# KiCad board Panel2.kicad_pcb (continued)
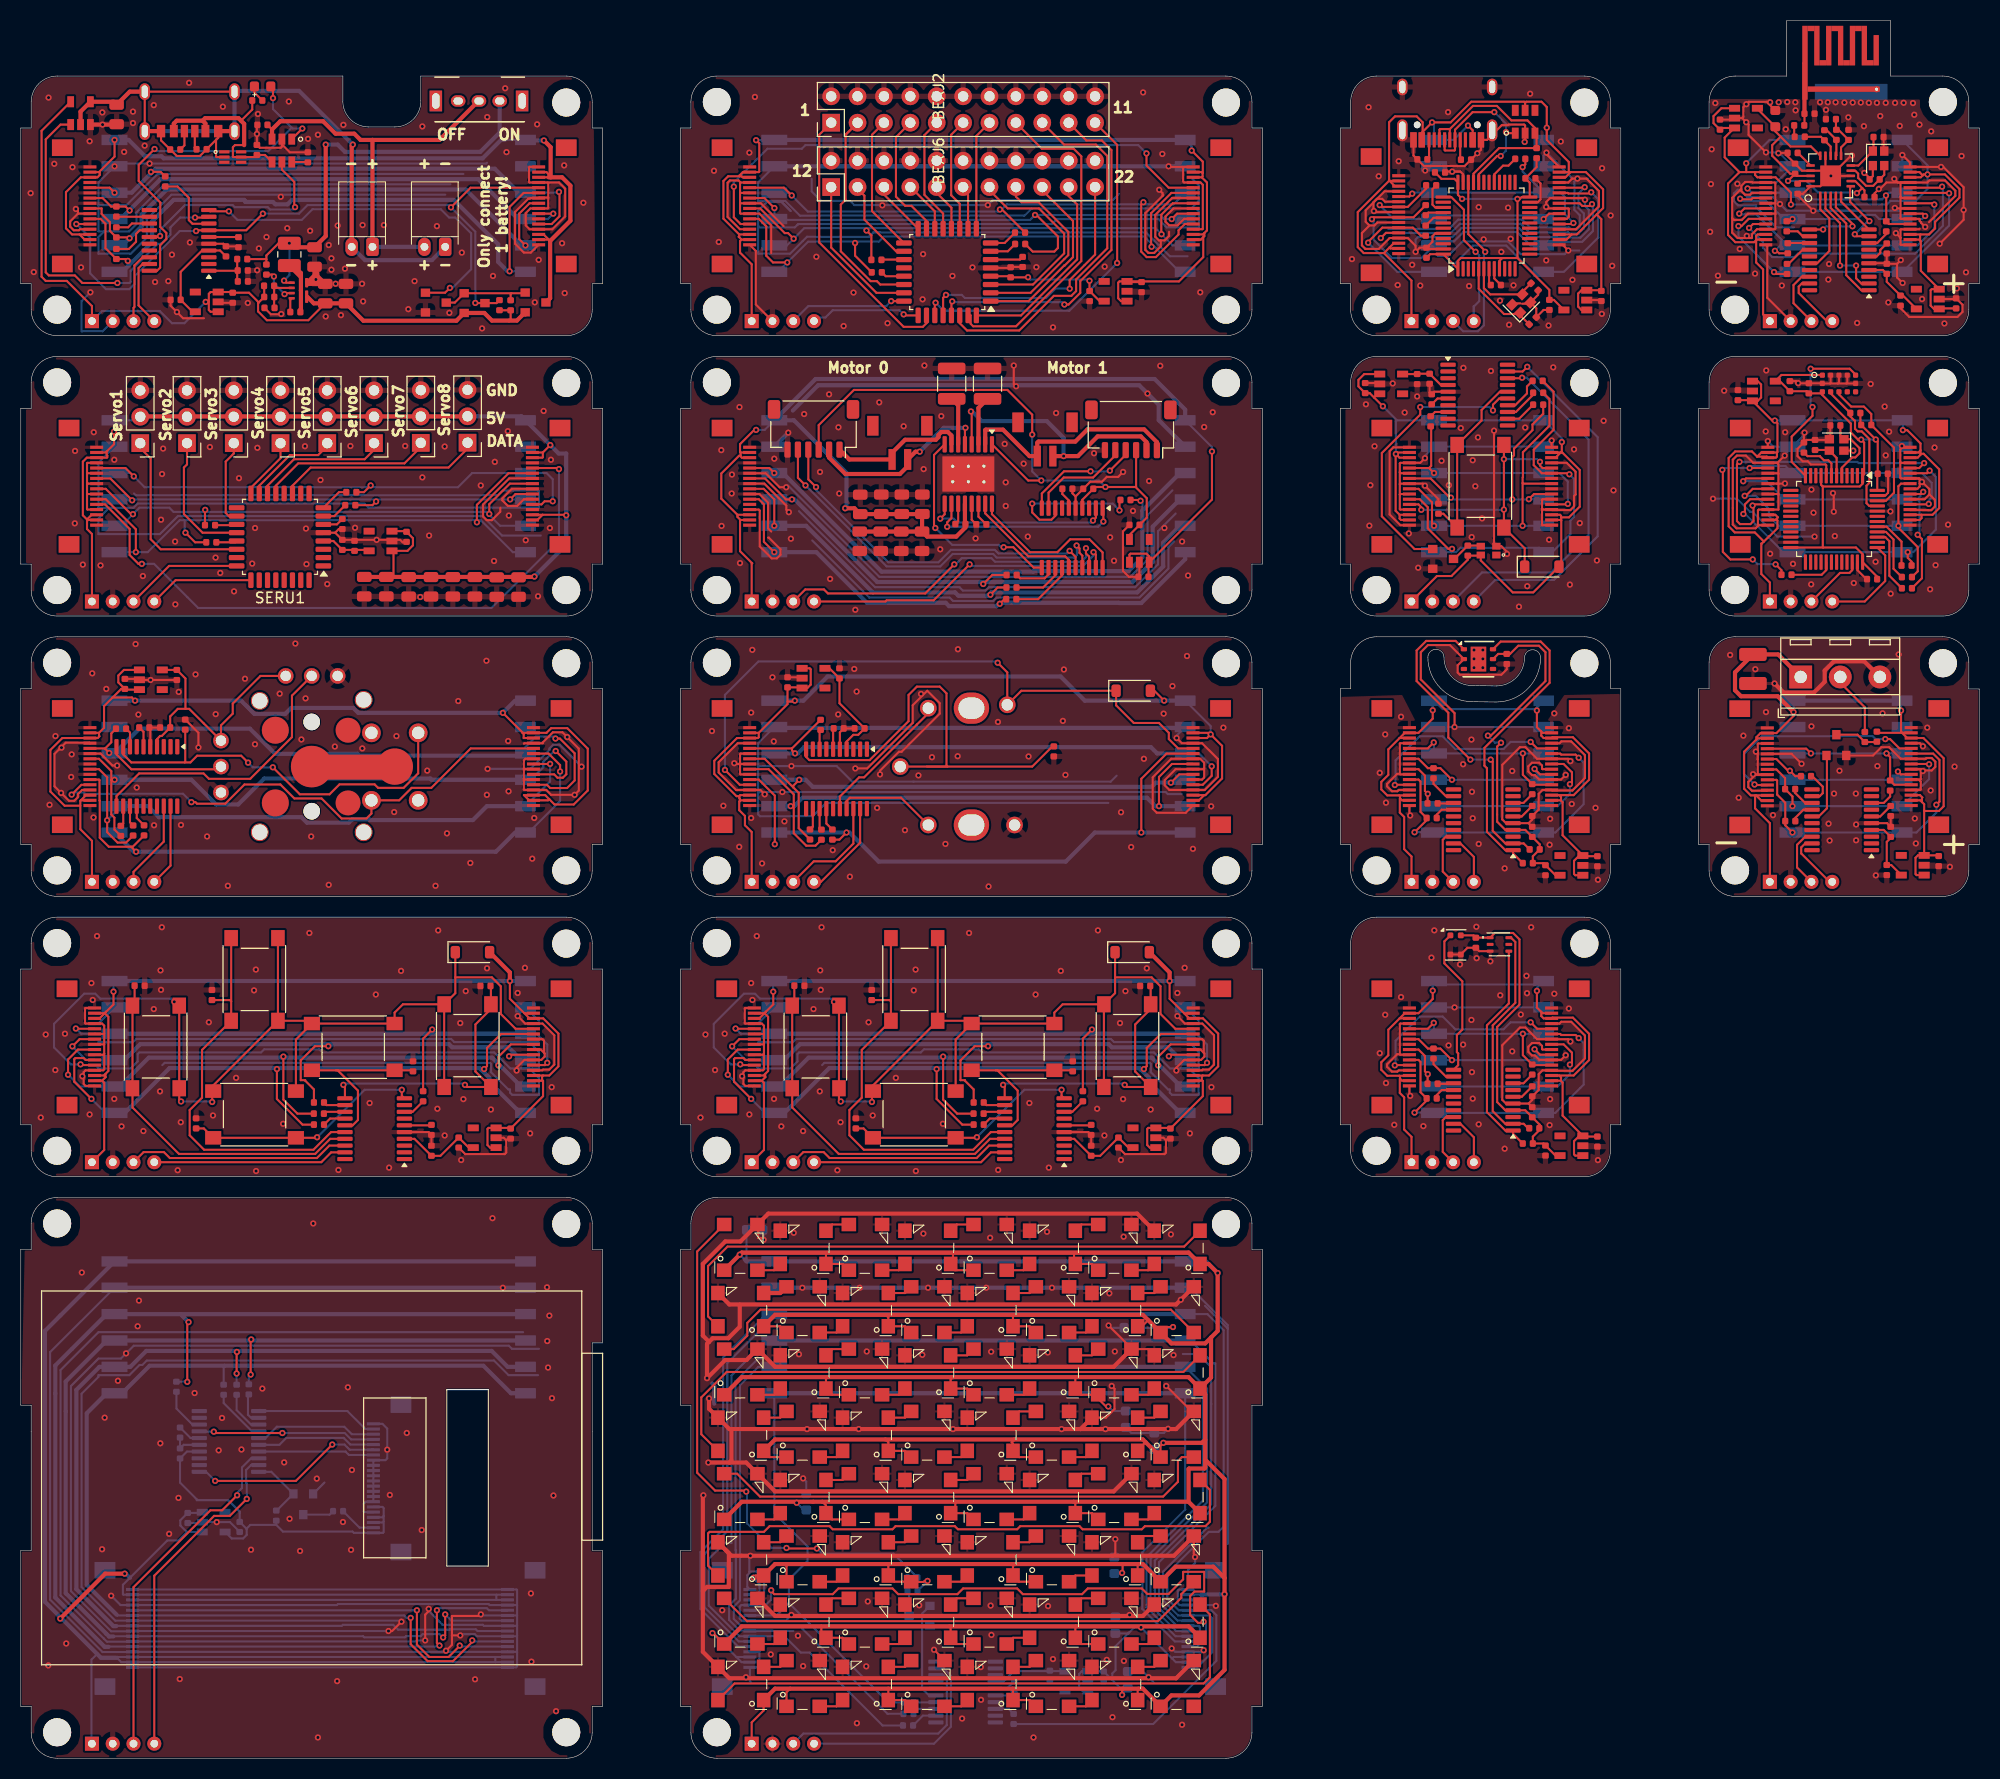
[diagram p0: board, top side]
## Routing (per net, layer and track width the routed paths; a pad name or vN(x,y) marks a point on that pad's centre or on a via; arc(x,y) is an arc through that point) (continued)
LIG_Net-(U3-PA7): length 2.1
  Top w0.2: 136.28,63.55 136.28,63.87 136.77,64.35 LIGU3.14
LIG_PS: length 19.4
  Top w0.2: v1(136,70.83) 135.43,70.25 LIGJ5.5 ; LIGJ3.5 145.53,66.75 LIGR1.2 144.57,67.71 v1(144.57,69.77)
  Bottom w0.2: LIGJ2.4 v1(144.57,69.77) LIGJ1.3 136,69.8 v1(136,70.83)
LIG_SCL: length 21.3
  Top w0.2: LIGU1.4 143.22,72.69 141.12,70.58 141.12,62.22 142.89,60.45 LIGU3.1 143.63,60.14 LIGR5.1
LIG_SCLK: length 18.8
  Top w0.2: v1(137.75,67.23) 136.63,68.34 LIGR3.2 135.44,68.34 134.53,69.25 LIGJ5.7 ; v1(145.7,68.28) 146.22,67.75 LIGJ3.7
  Bottom w0.2: v1(145.7,68.28) 145.7,68.11 LIGJ2.3 v1(137.75,67.23) LIGJ1.4
LIG_SDA: length 22.3
  Top w0.2: 145.23,60.53 144.66,61.1 LIGU3.2 142.89,61.1 141.68,62.32 141.68,70.58 143.85,72.75 143.85,78.61 143.43,79.03 LIGU1.6
LIG_SWDCLK: length 4.9
  Top w0.2: LIGJ4.4 139.86,59.8 138.56,61.1 LIGU3.19
LIG_SWDIO: length 5.6
  Top w0.2: LIGU3.18 137.17,61.75 136.87,61.45 136.87,58.39 LIGJ4.3
LIG_VDD: length 32.9
  Top w0.2: LIGU2.5 147.72,58.03 LIGC9.1 146.56,59.2 LIGR5.2 145.53,59.86 146.2,60.53 146.2,61.01 LIGC2.1 144.81,62.4 LIGU3.4 142.89,62.4 142.1,63.19 142.1,70.42 144.25,72.58 144.25,78.86 143.63,79.47 141.88,79.47 LIGU1.1 140.06,79.03 LIGC3.1 139.82,79.25 LIGU4.4
MAT_5V: length 664.2
  Top w0.2: v1(87.28,17.07) 87,17.07 86.9,16.97 85.72,16.97 MATD44.1 84.1,17 MATD43.1 83.5,18.65 83.55,18.7 ; v1(106,17.85) 106.05,17.9 106.05,18.7 ; 89.4,12.7 89.5,12.6 MATD52.1 90.1,11 MATD53.1 ; 89.72,48.6 101.38,48.6 ; 89.72,48.6 77.53,48.6 ; 89.72,48.6 89.72,47.83 MATD4.1 89.5,47.4 89.9,47 MATD5.1 ; 101.38,48.6 101.38,47.72 MATD6.1 103.1,47.6 MATD7.1 ; 101.38,48.6 112.5,48.6 MATD8.1 ; 74.05,6.7 73.7,6.35 MATD58.1 ; 106.08,6.7 106,6.62 v1(106,6.1) ; 71.25,17.85 MATD41.1 70.75,17.6 v1(70.54,17.39) ; 77.53,48.6 69.3,48.6 v1(69.2,48.5) MATD1.1 ; 77.53,48.6 77.5,48.58 MATD2.1 79.1,47.6 MATD3.1 ; MATD42.1 73.7,18.5 73.5,18.7 ; v1(109.97,30.38) 109.7,30.1 MATD32.1 ; MATD63.1 107.5,6.62 107.58,6.7 ; 95.7,18.7 95.5,18.5 MATD45.1 96.1,17 MATD46.1 ; MATD57.1 71.5,4.6 70.35,3.45 MATJ3.1 ; 83.25,42.7 83.5,42.45 MATD11.1 85.1,41.6 MATD12.1 ; MATD10.1 73.1,41.6 MATD9.1 ; MATD25.1 72.1,29 MATD26.1 ; MATD60.1 85.1,5.6 MATD59.1 83.5,6.7 ; MATD30.1 96.1,29 MATD29.1 95.5,30.3 95.38,30.43 95.6,30.65 95.6,30.7 ; v1(104.67,33.88) 104.45,33.88 103.7,34.62 MATD23.1 102.1,35 MATD22.1 101.5,36.7 ; 95.42,42.7 95.5,42.62 MATD13.1 97.1,41.6 MATD14.1 ; MATD55.1 102.1,11 MATD54.1 101.5,12.65 101.55,12.7 ; 83.22,30.7 83.5,30.43 MATD27.1 85.1,29.6 MATD28.1 ; 89.95,24.7 89.95,24.05 MATD36.1 91.1,23.6 MATD37.1 ; MATD19.1 78.1,35 MATD18.1 77.5,36.6 77.6,36.7 ; v1(66.58,12.05) 66.65,12.05 MATD49.1 ; 95.45,6.7 95.5,6.65 MATD61.1 97.1,5.6 MATD62.1 ; MATD51.1 79.1,11.6 MATD50.1 77.05,12.05 77.05,12.7 ; 107.53,18.7 107.5,18.68 MATD47.1 ; MATD39.1 103.1,23.6 MATD38.1 101.5,24.55 101.35,24.7 ; MATD21.1 91.1,35.6 MATD20.1 89.5,36.45 89.75,36.7 ; MATD16.1 110.22,41.53 v1(110.9,41.53) ; 108.26,30.44 107.5,29.68 MATD31.1 ; 108.51,42.19 107.92,41.6 MATD15.1 ; MATD35.1 78.1,23 MATD34.1 77.5,24.35 77.15,24.7
  Top w0.4: v1(109.97,30.38) 113.7,30.38 114,30.68 ; MATD56.1 112.4,12.7 69.4,12.7 MATD49.1 ; 114.56,40.51 114.56,36.66 MATD24.1 ; 114.56,40.51 114,39.95 110.75,39.95 MATD16.1 108,42.7 72.6,42.7 MATD9.1 ; 114.56,40.51 115.2,41.15 v1(115.2,46.72) 114.33,47.6 MATD8.1 112.4,48.7 69.4,48.7 MATD1.1 ; 112.4,24.7 MATD40.1 ; 112.4,24.7 112.4,27.85 112.45,27.9 113.92,27.9 114,27.97 114,28.75 ; 112.4,24.7 69.4,24.7 MATD33.1 ; MATD24.1 112.4,36.7 69.4,36.7 MATD17.1 ; MATD24.1 113.5,35.55 114,35.05 114,30.68 ; 114,30.68 114,28.75 ; 114,28.75 115.86,26.89 115.86,17.36 ; MATD41.1 72.6,18.7 108,18.7 MATD48.1 111.15,18.45 114.78,18.45 115.86,17.36 ; 115.86,17.36 v1(115.86,15.8) 115.86,8.51 113.41,6.05 110.75,6.05 MATD64.1 108,6.7 72.6,6.7 MATD57.1 ; MATD32.1 108,30.7 72.6,30.7 MATD25.1
  Bottom w0.2: 71.05,15.75 71.05,15.5 71.15,15.4 71,15.25 MATJ5.14 ; 71.05,15.75 71.1,15.8 71.1,16.78 70.8,17.07 ; 71.05,15.75 MATJ5.15 ; v1(104.67,33.88) 105.11,33.44 MATC11.1 ; 110.83,9.6 v1(107.83,12.6) 107.17,12.6 106.67,12.1 ; 110.83,9.6 111.17,9.25 MATJ4.15 ; 110.83,9.6 110.97,9.75 MATJ4.14 ; v1(87.28,17.07) 86.35,16.15 MATR2.1 ; MATC6.1 109.72,30.38 v1(109.97,30.38) ; MATC12.1 110.83,41.45 v1(110.9,41.53) ; MATC13.1 106.6,12.03 106.67,12.1 ; MATJ5.3 68.88,9.75 ; 68.88,9.75 v1(66.58,12.05) ; 68.88,9.75 69.38,9.25 MATJ5.2 ; MATC16.1 75.36,23.91 v1(74.67,24.6) ; MATJ4.2 113.62,15.75 113.65,15.78 ; MATC8.1 69.85,48.15 69.7,48 v1(69.2,48.5) ; MATU1.3 102.19,6.47 101.87,6.8 101.87,8.12 102.12,8.38 MATU1.1 104.21,8.38 MATC1.1 105.06,7.53 ; MATJ4.3 113.33,15.25 113.85,15.78 ; v1(70.54,17.39) 70.8,17.13 70.8,17.07 ; MATC7.1 106.06,17.79 ; 70.8,17.07 70.53,17.35 ; 106.67,12.1 105.38,10.8 105.38,8.47 105.06,8.16 105.06,7.53 ; 105.06,7.53 105.81,6.78 MATC15.1 106,6.22 v1(106,6.1)
  Bottom w0.4: 113.65,15.78 115.84,15.78 v1(115.86,15.8) ; v1(115.2,46.72) 114.08,47.85 MATJ2.6 MATJ1.1 69.85,47.85 69.7,48
MAT_D0: length 52.1
  Top w0.2: MATD1.4 65.1,48.8 65.1,27.5 66.83,25.78 69.73,25.78 v1(69.83,25.68) ; v1(76.62,20.2) 73.75,20.2 v1(73.7,20.25)
  Bottom w0.2: v1(69.83,25.68) 69.9,25.6 69.9,22.62 72.28,20.25 v1(73.7,20.25) ; MATR4.2 84,19.7 77.12,19.7 v1(76.62,20.2)
MAT_GND: length 709
  Top w0.2: v1(105,35.85) 105.28,35.58 105.28,33.63 104.45,32.8 MATD31.3 ; v1(113.03,19.38) 113.03,19.55 112.9,19.68 MATD48.3 ; 105.1,19.5 105.35,19.75 v1(105.35,21.1) ; MATD1.3 70.97,51.33 70.97,50.1 71.33,50.1 v1(71.5,49.92) ; v1(104.7,41.67) 106.9,39.47 MATD23.3 108.5,39.4 MATD24.3 ; v1(87.9,10.45) 88.9,9.45 MATD60.3 ; v1(110.25,35.85) 112.7,33.4 MATD32.3
  Top w0.4: 65.65,16.1 65.65,10.25 MATD57.3 68.2,7.7 111.2,7.7 MATD64.3 ; 65.65,16.1 66.05,16.5 68.15,16.5 68.15,19.75 MATD41.3 68.4,19.5 v1(70.22,19.5) 111,19.5 MATD48.3 ; 65.65,16.1 65.65,25.28 v1(65.7,25.32) ; MATD32.3 111.2,31.7 v1(104.4,31.7) 102,31.7 ; v1(66.17,28.47) 68.2,28.47 ; 68.2,28.47 68.4,28.68 68.4,31.7 ; 68.2,28.47 69.83,28.47 MATD33.3 72.6,25.7 105.2,25.7 MATD39.3 ; MATD23.3 105.2,37.7 72.6,37.7 MATD17.3 69.85,38.35 67.8,38.35 v1(66.05,36.6) 66.05,39.9 66.25,40.1 ; 66.25,40.1 65.65,40.7 65.65,47.61 67.82,49.78 69.28,49.78 MATD1.3 71.95,52.45 107.45,52.45 MATD8.3 ; 66.25,40.1 66.6,40.45 68.1,40.45 69.2,41.55 69.2,43.7 ; 68.4,31.7 v1(75.67,31.7) v1(80.65,31.7) v1(89.72,31.7) v1(100.17,31.7) 102,31.7 ; 68.4,31.7 68.2,31.7 MATD25.3 66.24,33.66 v1(66.24,34.65) ; 102,31.7 MATD31.3 ; MATD9.3 68.2,43.7 111.2,43.7 v1(111.65,44.15) MATD16.3 ; MATD49.3 72.6,13.7 108,13.7 MATD56.3
  Bottom w0.2: 95.03,6.82 94.92,6.7 MATU2.5 ; 95.03,6.82 MATC2.2 ; 95.03,6.82 95.4,6.45 MATC4.2 ; MATC11.2 106.89,31.32 MATC6.2 110.03,31.32 v1(110.42,31.72) ; v1(106.72,13.8) 106.6,13.8 106.4,13.6 MATC13.2 ; 116.17,41.38 113.98,43.57 ; 116.17,41.38 116.17,41.71 112.58,45.31 MATJ2.5 ; 116.17,41.38 116.17,20.62 ; 111.85,38.92 113.31,38.92 114.58,37.66 114.58,34.08 114.58,34.2 114.58,24.47 109.15,19.04 109.15,14.87 111.27,12.75 MATJ4.8 113.4,12.75 113.47,12.68 113.47,12.05 113.17,11.75 MATJ4.10 111.14,11.75 108.35,14.54 108.35,19.37 113.78,24.8 113.78,35.42 113.05,36.15 ; v1(70.22,19.5) 70.12,19.4 70.12,17.97 ; MATC12.2 104.92,41.45 v1(104.7,41.67) ; v1(75.3,26.95) 75.6,26.65 MATC16.2 ; 68.17,13.31 68.17,13.59 ; 68.17,13.31 69.18,12.3 72.37,12.3 ; 68.17,13.31 68.17,14.72 68.83,15.37 68.83,20.03 68.8,20.05 68.8,36.31 70.97,38.49 71.4,38.49 ; v1(71.5,49.92) 71.5,50.8 MATC8.2 ; 109.05,7.3 108,8.35 MATC15.2 ; v1(113.85,10.4) 113.65,10.2 113.42,10.2 113.37,10.25 MATJ4.13 111.1,10.25 v1(110.78,10.57) ; MATJ4.16 113.22,8.75 114.67,10.21 114.67,13.47 114.4,13.75 MATJ4.6 111.4,13.75 109.95,15.2 109.95,17.97 114.18,22.2 114.33,22.2 ; 70.3,7.3 70.17,7.43 MATJ5.1 71.05,8.75 71.1,8.8 71.1,10.3 ; MATJ5.4 71.05,10.25 71.1,10.3 ; 71.1,10.3 71.1,11.05 70.9,11.25 MATJ5.6 69.1,11.25 65.82,14.53 65.82,19.69 68,21.88 68,38.06 71.25,41.3 71.62,41.3 ; MATJ5.8 74.35,12.25 ; v1(74.17,13.8) 73.62,13.25 MATJ5.10 69.4,13.25 69.2,13.45 69.2,14.6 69.35,14.75 MATJ5.13 71.12,14.75 71.55,15.18 71.55,17.22 70.79,17.99 70.14,17.99 70.12,17.97 ; v1(113.03,19.38) 113.03,18.8 112.34,18.12 MATJ4.1 111.47,16.25 111.36,16.14 111.36,14.93 111.54,14.75 MATJ4.4 115.03,14.75 115.15,14.62 ; 70.12,17.97 70.12,17.82 69.92,17.62 69.92,16.5 MATJ5.16
  Bottom w0.4: 66.55,36.1 66.74,35.91 66.74,34.15 ; MATJ1.2 v1(75.22,45.31) v1(80.75,45.31) v1(87.33,45.31) v1(92.92,45.31) v1(99.25,45.31) MATJ2.5
  vias: v1(67.52,14.25) v1(69.8,7.8) v1(72.19,10) v1(74.4,50.6) v1(74.8,11.8) v1(74.9,38.9) v1(75.3,8.88) v1(80.47,3.38) v1(81.42,39.17) v1(81.38,8.85) v1(81.53,15.1) v1(86.47,14.72) v1(86.78,38.85) v1(86.88,50.53) v1(90.6,3.82) v1(92.4,8.78) v1(92.42,5.62) v1(93.3,50.12) v1(93.35,14.7) v1(93.4,39.15) v1(93.42,11.88) v1(97.47,2) v1(98.78,50.7) v1(98.85,39.08) v1(98.88,14.65) v1(99.35,9.55) v1(104.53,9.47) v1(104.78,44.78) v1(105.08,3.95) v1(105.3,39.17) v1(106.15,50.22) v1(106.17,9.38) v1(108.55,7.8) v1(110.7,50.45) v1(110.95,38.83) v1(111.78,3.22) v1(115.03,14.68)
MAT_Interrupt5V: length 58.5
  Top w0.2: v1(113.85,13.15) 113.73,13.03 113.32,13.03 112.55,13.8 112.55,15.62 112.97,16.05 113.9,16.05 113.9,17.95 111.9,17.95 111.88,17.93 111.88,17.22 110.47,15.82 108.42,15.82 107.9,16.35 102.7,16.35 102.15,15.8 96.45,15.8 95.9,16.35 90.7,16.35 90.15,15.8 84.45,15.8 83.9,16.35 78.7,16.35 78.15,15.8 72.53,15.8 72.22,16.1 v1(72.22,16.18)
  Bottom w0.2: v1(72.22,16.18) 72.22,15.28 71.19,14.25 MATJ5.12 ; MATJ4.12 113.22,10.75 114.08,11.6 114.08,12.93 v1(113.85,13.15)
MAT_LED_DATA: length 9.9
  Bottom w0.2: 87.5,14.68 86.75,13.93 86.75,6.72 87.42,6.05 MATU2.15
MAT_MISO: length 117.2
  Bottom w0.2: MATJ1.5 70.99,37.69 69.22,35.92 69.22,15.2 68.62,14.6 68.62,13.43 69.3,12.75 MATJ5.9 74.95,12.75 83.42,4.28 MATR5.2 ; MATJ2.2 114.17,35.59 114.17,24.63 108.75,19.21 108.75,14.71 111.21,12.25 MATJ4.9
  Bottom w0.4: MATJ2.2 MATJ1.5
MAT_MOSI: length 109.3
  Bottom w0.2: 73.92,14.95 72.72,13.75 MATJ5.11 ; 73.92,14.95 83.5,5.38 MATR6.2 ; 73.92,14.95 73.92,17.2 75.72,19 75.72,20.4 72.53,23.6 MATJ1.6 ; MATJ2.1 112.08,23.95 107.95,19.82 107.95,14.38 111.08,11.25 MATJ4.11
  Bottom w0.4: MATJ1.6 MATJ2.1
MAT_Net-(D1-DOUT): length 2.4
  Top w0.2: MATD1.2 72.5,47 MATD2.4
MAT_Net-(D2-DOUT): length 2.4
  Top w0.2: MATD3.4 78.1,51.4 MATD2.2
MAT_Net-(D3-DOUT): length 2.4
  Top w0.2: MATD3.2 84.5,47 MATD4.4
MAT_Net-(D4-DOUT): length 2.4
  Top w0.2: MATD4.2 90.1,51.4 MATD5.4
MAT_Net-(D5-DOUT): length 2.4
  Top w0.2: MATD5.2 96.5,47 MATD6.4
MAT_Net-(D6-DOUT): length 2.4
  Top w0.2: MATD7.4 102.1,51.4 MATD6.2
MAT_Net-(D7-DOUT): length 2.4
  Top w0.2: MATD7.2 108.5,47 MATD8.4
MAT_Net-(D8-DOUT): length 54.8
  Top w0.2: MATD9.4 66.15,42.55 66.15,47.4 68.03,49.28 111.97,49.28 113.4,50.7
MAT_Net-(D10-DIN): length 2.4
  Top w0.4: MATD9.2 73.1,44.8 MATD10.4
MAT_Net-(D10-DOUT): length 2.4
  Top w0.2: MATD11.4 78.5,41 MATD10.2
MAT_Net-(D11-DOUT): length 2.4
  Top w0.2: MATD11.2 85.1,44.8 MATD12.4
MAT_Net-(D12-DOUT): length 2.4
  Top w0.2: MATD12.2 90.5,41 MATD13.4
MAT_Net-(D13-DOUT): length 2.4
  Top w0.2: MATD13.2 97.1,44.8 MATD14.4
MAT_Net-(D14-DOUT): length 2.4
  Top w0.2: MATD14.2 102.5,41 MATD15.4
MAT_Net-(D15-DOUT): length 2.4
  Top w0.2: MATD16.4 109.1,44.8 MATD15.2
MAT_Net-(D16-DOUT): length 48.4
  Top w0.2: MATD17.4 68.62,39.4 69.92,40.7 69.92,41.92 71.2,43.2 110.7,43.2 MATD16.2
MAT_Net-(D17-DOUT): length 2.4
  Top w0.2: MATD17.2 72.5,35 MATD18.4
MAT_Net-(D18-DOUT): length 2.4
  Top w0.2: MATD18.2 78.1,39.4 MATD19.4
MAT_Net-(D19-DOUT): length 2.4
  Top w0.2: MATD19.2 84.5,35 MATD20.4
MAT_Net-(D20-DOUT): length 2.4
  Top w0.2: MATD20.2 91.1,38.8 MATD21.4
MAT_Net-(D21-DOUT): length 2.4
  Top w0.2: MATD21.2 96.5,35 MATD22.4
MAT_Net-(D22-DOUT): length 2.4
  Top w0.2: MATD23.4 103.1,38.8 MATD22.2
MAT_Net-(D23-DOUT): length 2.4
  Top w0.2: MATD23.2 108.5,35 MATD24.4
MAT_Net-(D24-DOUT): length 55.5
  Top w0.2: MATD24.2 111.9,37.2 67.95,37.2 65.5,34.75 65.5,31.2 MATD25.4
MAT_Net-(D25-DOUT): length 2.4
  Top w0.2: MATD26.4 73.1,32.8 MATD25.2
MAT_Net-(D26-DOUT): length 2.4
  Top w0.2: MATD27.4 78.5,29 MATD26.2
MAT_Net-(D27-DOUT): length 2.4
  Top w0.2: MATD27.2 85.1,32.8 MATD28.4
MAT_Net-(D28-DOUT): length 2.4
  Top w0.2: MATD28.2 90.5,29 MATD29.4
MAT_Net-(D29-DOUT): length 2.4
  Top w0.2: MATD29.2 96.1,33.4 MATD30.4
MAT_Net-(D30-DOUT): length 2.4
  Top w0.2: MATD31.4 102.5,29 MATD30.2
MAT_Net-(D31-DOUT): length 2.4
  Top w0.2: MATD32.4 109.1,32.8 MATD31.2
MAT_Net-(D32-DOUT): length 48.9
  Top w0.2: MATD33.4 68.95,27.4 71.15,25.2 109.95,25.2 111.38,26.62 111.38,28.62 111.75,29 MATD32.2
MAT_Net-(D33-DOUT): length 2.4
  Top w0.2: MATD34.4 72.5,23 MATD33.2
MAT_Net-(D34-DOUT): length 2.4
  Top w0.2: MATD35.4 79.1,26.8 MATD34.2
MAT_Net-(D35-DOUT): length 2.4
  Top w0.2: MATD35.2 84.5,23 MATD36.4
MAT_Net-(D36-DOUT): length 2.4
  Top w0.2: MATD37.4 91.1,26.8 MATD36.2
MAT_Net-(D37-DOUT): length 2.4
  Top w0.2: MATD38.4 96.5,23 MATD37.2
MAT_Net-(D38-DOUT): length 2.4
  Top w0.2: MATD38.2 102.1,27.4 MATD39.4
MAT_Net-(D39-DOUT): length 2.4
  Top w0.2: MATD39.2 108.5,23 MATD40.4
MAT_Net-(D40-DOUT): length 58.4
  Top w0.2: MATD41.4 66.15,18.55 66.15,21.65 66.3,21.8 71.53,21.8 72.08,22.35 77.85,22.35 78.15,22.05 83.9,22.05 84.2,22.35 89.9,22.35 90.2,22.05 95.9,22.05 96.2,22.35 101.9,22.35 102.2,22.05 107.9,22.05 108.2,22.35 114.03,22.35 114.45,22.78 114.45,25.85 MATD40.2
MAT_Net-(D41-DOUT): length 2.4
  Top w0.2: MATD42.4 73.1,20.8 MATD41.2
MAT_Net-(D42-DOUT): length 2.4
  Top w0.2: MATD42.2 78.5,17 MATD43.4
MAT_Net-(D43-DOUT): length 2.4
  Top w0.2: MATD44.4 85.1,20.8 MATD43.2
MAT_Net-(D44-DOUT): length 2.4
  Top w0.2: MATD44.2 90.5,17 MATD45.4
MAT_Net-(D45-DOUT): length 2.4
  Top w0.2: MATD45.2 97.1,20.8 MATD46.4
MAT_Net-(D46-DOUT): length 2.4
  Top w0.2: MATD46.2 101.5,17.6 MATD47.4
MAT_Net-(D47-DOUT): length 2.4
  Top w0.2: MATD48.4 108.1,21.4 MATD47.2
MAT_Net-(D48-DOUT): length 47.9
  Top w0.2: MATD48.2 111.7,15.8 111.7,15.45 109.45,13.2 69.9,13.2 MATD49.4
MAT_Net-(D49-DOUT): length 2.4
  Top w0.2: MATD49.2 72.5,11 MATD50.4
MAT_Net-(D50-DOUT): length 2.4
  Top w0.2: MATD51.4 78.1,15.4 MATD50.2
MAT_Net-(D51-DOUT): length 2.4
  Top w0.2: MATD51.2 84.5,11 MATD52.4
MAT_Net-(D52-DOUT): length 2.4
  Top w0.2: MATD52.2 90.1,15.4 MATD53.4
MAT_Net-(D53-DOUT): length 2.4
  Top w0.2: MATD54.4 95.5,11.6 MATD53.2
MAT_Net-(D54-DOUT): length 2.4
  Top w0.2: MATD54.2 102.1,15.4 MATD55.4
MAT_Net-(D55-DOUT): length 2.4
  Top w0.2: MATD56.4 108.5,11 MATD55.2
MAT_Net-(D56-DOUT): length 55.7
  Top w0.2: MATD56.2 114.45,13.85 114.45,7.8 113.85,7.2 68.7,7.2 MATD57.4
MAT_Net-(D57-DOUT): length 2.4
  Top w0.2: MATD58.4 73.1,8.8 MATD57.2
MAT_Net-(D58-DOUT): length 2.4
  Top w0.2: MATD58.2 78.5,5 MATD59.4
MAT_Net-(D59-DOUT): length 2.4
  Top w0.2: MATD59.2 85.1,8.8 MATD60.4
MAT_Net-(D60-DOUT): length 2.4
  Top w0.2: MATD60.2 90.5,5 MATD61.4
MAT_Net-(D61-DOUT): length 2.4
  Top w0.2: MATD62.4 97.1,8.8 MATD61.2
MAT_Net-(D62-DOUT): length 2.4
  Top w0.2: MATD63.4 102.5,5 MATD62.2
MAT_Net-(D63-DOUT): length 2.4
  Top w0.2: MATD63.2 109.1,8.8 MATD64.4
MAT_Net-(Q1-D): length 3.7
  Bottom w0.2: MATQ1.3 85.5,17.23 MATR4.1
MAT_Net-(U2-NRST): length 2.1
  Bottom w0.2: MATC4.1 95.64,5.49 95.08,6.05 MATU2.6
MAT_Net-(U2-PA1): length 2
  Bottom w0.2: 95.56,4.26 95.08,4.75 MATU2.8
MAT_Net-(U2-PA5): length 2.6
  Bottom w0.2: MATR3.1 86.83,4.1 MATU2.12
MAT_Net-(U2-PA6): length 2.3
  Bottom w0.2: MATR5.1 86.39,4.75 MATU2.13
MAT_Net-(U2-PA7): length 2.1
  Bottom w0.2: MATU2.14 88.06,5.38 MATR6.1
MAT_PS: length 142.4
  Bottom w0.2: MATJ5.5 69.04,10.75 65.42,14.37 65.42,19.86 67.6,22.04 67.6,38.59 71.78,42.77 MATJ1.3 ; MATR1.2 109,3.29 115.08,9.38 115.08,13.78 114.6,14.25 MATJ4.5 111.47,14.25 110.35,15.37 110.35,17.8 114.35,21.8 115.28,21.8 115.78,22.3 115.78,41.21 114.21,42.77 MATJ2.4
  Bottom w0.4: MATJ2.4 MATJ1.3
MAT_SCLK: length 124.6
  Bottom w0.2: MATJ2.3 112.58,40.23 114.78,38.03 114.97,38.03 114.97,24.3 109.55,18.88 109.55,15.04 111.34,13.25 MATJ4.7 ; MATJ1.4 71.78,40.23 68.4,36.86 68.4,20.72 67.75,20.72 66.22,19.2 66.22,14.7 69.17,11.75 MATJ5.7 73.5,11.75 75.08,10.18 75.92,10.18 82.94,3.16 MATR3.2
  Bottom w0.4: MATJ1.4 MATJ2.3
MAT_SWDCLK: length 20.5
  Bottom w0.2: MATU2.19 88.81,8.65 89.53,7.94 89.53,3.03 87.9,1.4 MATJ3.4
MAT_SWDIO: length 21.2
  Bottom w0.2: MATJ3.3 75.33,2.38 88.31,2.38 89.12,3.19 89.12,7.69 88.81,8 MATU2.18
MAT_VDD: length 7.1
  Bottom w0.2: MATU2.4 94.54,7.35 95.58,8.39 MATC2.1 100.48,8.39 MATU1.5
MOT_5V: length 125.8
  Top w0.2: MOTJ4.1 70.35,115.03 70.4,115.08 69.23,116.25 69.23,119.2 69.28,119.25 ; 69.28,119.25 68.98,119.55 68.98,119.75 ; 69.28,119.25 MOTJ1.15 ; 69.28,125.75 69.23,125.8 69.23,126.56 70.6,127.92 v1(70.78,127.92) ; 69.28,125.75 69.28,125.48 69.22,125.42 ; 69.28,125.75 MOTJ1.2 ; 69.22,125.42 69.4,125.25 MOTJ1.3 ; 69.22,125.42 69.12,125.42 67.42,123.72 67.42,121.3 68.98,119.75 ; MOTU2.3 108.55,115.11 MOTC8.1 ; MOTU2.3 108.61,115.74 108.34,116 106.81,116 106.71,115.91 MOTU2.1 ; MOTU2.3 114.65,121.22 v1(114.65,125.85) ; 68.98,119.75 MOTJ1.14
  Top w0.4: MOTC4.1 MOTC12.1 ; MOTC12.1 87.24,117.65 90.04,117.65 90.92,118.53 MOTC5.1 90.88,118.9 MOTU1.12 ; MOTC12.1 86.75,119.8 MOTC13.1 86.76,119.81 MOTC16.1 80.24,120.38 v1(79.35,120.38)
  Bottom w0.2: v1(114.65,125.85) 114.65,126.28 MOTJ7.6 ; v1(70.78,127.92) 71.6,127.92 MOTJ5.1
  Bottom w0.4: v1(79.35,120.38) 79.47,120.5 79.47,123.78 74.41,128.85 MOTJ5.1 76.5,132.82 109.12,132.82 112.08,129.88 MOTJ7.6
MOT_ENC1_A: length 11.5
  Top w0.2: MOTU3.10 98.28,121.8 100.41,123.94 v1(102.96,123.94) ; MOTJ6.4 106.35,125.53 v1(104.83,124)
  Bottom w0.2: v1(102.96,123.94) 104.76,123.94 v1(104.83,124)
MOT_ENC1_B: length 34.1
  Top w0.2: v1(76.54,122.42) 75.8,123.16 MOTJ2.4 ; v1(100.95,116.28) 101.53,115.7 MOTU3.16
  Bottom w0.2: v1(76.54,122.42) 76.54,122.13 83.5,115.17 88.33,115.17 89.53,116.38 93.75,116.38 94.1,116.03 100.7,116.03 v1(100.95,116.28)
MOT_ENC2_A: length 9.9
  Top w0.2: MOTJ6.5 105.35,125.47 103.21,123.34 100.38,123.34 98.92,121.88 MOTU3.9
MOT_ENC2_B: length 37.1
  Top w0.2: v1(101.62,116.79) 101.9,116.51 101.9,116.09 102.17,115.81 MOTU3.17 ; v1(75.53,122.58) 74.8,123.31 MOTJ2.5
  Bottom w0.2: v1(75.53,122.58) 83.34,114.78 88.5,114.78 89.7,115.97 93.58,115.97 93.93,115.62 101.38,115.62 101.65,115.9 101.65,116.76 v1(101.62,116.79)
MOT_GND: length 219.3
  Top w0.2: v1(95.8,132.12) 95.58,132.35 v1(95.58,134.12) ; v1(73.67,122.4) 73.05,122.4 71.7,123.75 MOTJ1.6 ; MOTU2.2 107.66,113.86 MOTC8.2 106.66,113.78 106.08,114.34 106.08,118.15 MOTC9.2 ; MOTJ1.13 71.03,120.25 71.12,120.16 71.12,116.7 72.28,115.55 72.77,115.55 73.12,115.9 73.12,116.42 72,117.55 71.92,117.55 ; v1(106.1,123.88) 105.62,123.4 104.53,123.4 104.06,122.94 102.95,122.94 MOTC2.2 101.53,121.52 ; MOTJ1.10 71.1,121.75 71.92,120.92 71.92,118.44 72.23,118.13 ; MOTJ1.8 71.57,122.75 73.69,120.63 73.69,120.24 v1(73.92,120) ; MOTU1.13 91.53,119.27 MOTC6.1 ; MOTC1.2 101.22,121.82 101.53,121.52 ; 101.53,121.52 MOTU3.5
  Bottom w0.2: 110.84,122.1 108.45,119.7 108.45,115.43 106.79,113.78 82.64,113.78 73.81,122.6 ; 74.9,120.1 82.22,112.78 90.35,112.78 90.67,112.45 92.85,112.45 93.17,112.78 107.25,112.78 109.46,114.98 109.46,118.17 110.06,118.77 ; 111,117.17 110.46,116.63 110.46,114.57 107.67,111.78 93.92,111.78 93.6,111.45 89.72,111.45 89.4,111.78 81.67,111.78 76.17,117.28 ; 110.06,118.77 110.08,118.75 v1(110.08,118.47) ; 110.06,118.77 111.16,119.88
  Bottom w0.4: 74.31,129.79 76.75,132.22 107.65,132.22 v1(108.45,131.43) 109.53,130.35 109.53,128.86 MOTJ7.5 ; MOTJ5.2 v1(73.87,127.66)
  vias: v1(67.42,125.97) v1(67.45,118.67) v1(68.42,121.8) v1(68.45,123.62) v1(69.17,130.12) v1(69.22,115.1) v1(72.53,125.15) v1(74.12,117.45) v1(75.4,129.45) v1(76.92,123.88) v1(77.8,131.35) v1(77.9,113.58) v1(78.7,128.18) v1(78.78,121.8) v1(80.33,110.6) v1(82.62,130.57) v1(84.97,128.28) v1(86.9,124.15) v1(86.97,134.12) v1(88.5,116.42) v1(88.6,129.25) v1(91.9,117.47) v1(94.7,126.58) v1(94.8,122.88) v1(94.8,120.6) v1(96.53,124.67) v1(96.92,117.65) v1(99.65,129.55) v1(103.3,125.67) v1(104.85,117.58) v1(105.22,115.33) v1(107.05,120.12) v1(108.6,123) v1(109.67,134.1) v1(111.78,117.17) v1(112.35,113.9) v1(113.9,128.2) v1(114.72,129.62)
MOT_IN1_A: length 15.7
  Top w0.2: MOTU3.20 104.12,116.12 102.86,117.39 101.01,117.39 99.78,116.15 97.13,116.15 93.47,119.81 MOTU1.16
MOT_IN1_B: length 17.9
  Top w0.2: v1(88.5,119.38) 88.92,119.8 MOTU1.9 ; v1(103.2,119.2) 103.47,119.47 MOTU3.2
  Bottom w0.2: v1(88.5,119.38) 89.8,119.38 90.17,119 103,119 v1(103.2,119.2)
MOT_IN2_A: length 11.6
  Top w0.2: MOTU3.15 100.88,115.4 100.52,115.75 96.97,115.75 92.83,119.89 MOTU1.15
MOT_IN2_B: length 18.9
  Top w0.2: MOTU1.10 89.58,119.43 89.16,119.02 v1(89.16,118.6) ; v1(104.2,119.1) 104.2,120.31 MOTU3.1
  Bottom w0.2: v1(89.16,118.6) 103.7,118.6 v1(104.2,119.1)
MOT_MISO: length 53.3
  Top w0.2: MOTR4.2 94.03,112.75 v1(93.33,112.05) ; MOTJ1.9 71.5,122.25 72.53,121.22 v1(72.53,118.69)
  Bottom w0.2: v1(93.33,112.05) 93.33,111.85
  Bottom w0.4: v1(72.53,118.69) 75.58,118.69 82,112.28 89.92,112.28 90.25,111.95 93.08,111.95 93.4,112.28 107.46,112.28 109.96,114.77 109.96,117.07 111.58,118.69
MOT_MOSI: length 51.7
  Top w0.2: MOTR2.2 94.67,111.62 v1(94.22,111.17) ; v1(72.53,116.15) 71.53,117.15 71.53,120.75 71.03,121.25 MOTJ1.11
  Bottom w0.4: MOTJ7.1 112.08,115.47 107.85,111.25 105.7,111.25 105.67,111.28 94.22,111.28 93.9,110.95 89.35,110.95 89.03,111.28 81.45,111.28 76.58,116.15 v1(72.53,116.15)
MOT_MTR1_A: length 22.1
  Top w0.4: MOTU1.2 92.83,127.9 92.88,127.95 94.54,127.95 97.09,125.4 MOTJ8.2 97.84,126.69 97.95,126.8 101.5,126.8 102.67,127.97 108.12,127.97 109.35,126.75 MOTJ6.1
MOT_MTR1_B: length 13.8
  Top w0.4: MOTU1.7 89.58,127.38 89.23,127.72 88.62,127.72 88.33,127.43 88.33,127.22 88.08,126.97 85.11,126.97 83.86,125.72 83.86,125.08 79.75,125.08 MOTJ2.1
MOT_MTR2_A: length 25.7
  Top w0.2: v1(91.45,129.7) 91.53,129.62 MOTU1.4
  Top w0.4: MOTJ6.2 108.35,126.75 107.8,127.3 103.65,127.3 101.75,125.4 v1(100.38,125.4) MOTJ8.1
  Bottom w0.4: v1(91.45,129.7) 91.58,129.7 92.5,128.78 98.75,128.78 100.38,127.15 v1(100.38,125.4)
MOT_MTR2_B: length 18.4
  Top w0.2: MOTU1.5 90.88,128.07 v1(90.92,128.12)
  Top w0.4: v1(86.53,125.83) 86.11,125.83 85.36,125.08 85.36,124.42 84.61,123.67 79.38,123.67 77.8,125.25 MOTJ2.2
  Bottom w0.4: v1(86.53,125.83) 88.83,128.12 v1(90.92,128.12)
MOT_Net-(U1-AISEN): length 4.7
  Top w0.4: MOTU1.3 92.17,130.04 MOTR5.2
MOT_Net-(U1-BISEN): length 4.6
  Top w0.4: 90.22,126.54 90.22,130.29 MOTR6.2
MOT_Net-(U1-VCP): length 2.1
  Top w0.2: MOTC5.2 90.22,119.12 90.22,120.81
MOT_Net-(U1-VINT): length 2.3
  Top w0.2: MOTU1.14 92.17,119.57 92.92,118.83 MOTC6.2
MOT_Net-(U3-NRST): length 2.1
  Top w0.2: MOTU3.6 100.88,121.12 100.25,121.75 MOTC1.1
MOT_Net-(U3-PA1): length 14
  Top w0.2: v1(105.75,120.17) 105.75,121.09 MOTR1.1 ; v1(97.35,120.83) 97.35,119.97 98.05,119.28 99.2,119.28 99.58,119.65 MOTU3.8
  Bottom w0.2: v1(97.35,120.83) 105.1,120.83 v1(105.75,120.17)
MOT_Net-(U3-PA5): length 4
  Top w0.2: MOTU3.12 98.92,114.01 98.54,113.62 96.18,113.62 MOTR3.1
MOT_Net-(U3-PA6): length 5
  Top w0.2: MOTU3.13 99.58,113.93 98.4,112.75 MOTR4.1
MOT_Net-(U3-PA7): length 6.1
  Top w0.2: 100.22,114.66 100.22,113.93 97.92,111.62 MOTR2.1
MOT_NFAULT: length 20.4
  Top w0.2: MOTU3.11 97.49,114.66 95.53,116.62 v1(94.6,116.62) ; v1(88.03,118.47) 87.9,118.6 87.9,125.51 MOTU1.8
  Bottom w0.2: v1(94.6,116.62) 94.35,116.62 94.12,116.85 89.65,116.85 v1(88.03,118.47)
MOT_PS: length 54.1
  Top w0.2: MOTJ1.5 72.05,124.25 v1(72.53,123.77) ; v1(107.78,121.1) 107.7,121.17 MOTR1.2
  Bottom w0.2: 107.95,120.15 107.95,120.92 v1(107.78,121.1)
  Bottom w0.4: v1(72.53,123.77) 73.35,123.77 82.85,114.28 97.45,114.28 97.5,114.33 106.62,114.33 107.95,115.65 107.95,120.15 111.58,123.77
MOT_SCLK: length 55.1
  Top w0.2: MOTR3.2 93.5,113.95 v1(92.64,113.08) ; v1(74.22,121.23) 73.65,121.23 71.63,123.25 MOTJ1.7
  Bottom w0.4: 111.58,121.23 108.95,118.6 108.95,115.2 108.92,115.2 107,113.28 82.43,113.28 74.48,121.23 v1(74.22,121.23) MOTJ5.4
MOT_SWDCLK: length 30.8
  Top w0.2: v1(91.33,114.97) 87.86,111.51 83.34,111.51 83.22,111.4 MOTJ4.4 ; MOTU3.19 103.47,115.92 v1(103.25,116.15)
  Bottom w0.2: v1(103.25,116.15) 103.25,115.83 102.25,114.83 91.47,114.83 v1(91.33,114.97)
MOT_SWDIO: length 33.4
  Top w0.2: v1(102.53,116.53) 102.53,116.03 102.83,115.73 MOTU3.18 ; MOTJ4.3 75.51,112.56 77.3,112.56 77.69,112.17 87.05,112.17 v1(89.85,114.97)
  Bottom w0.2: v1(89.85,114.97) 89.97,114.97 90.58,115.58 93.42,115.58 93.77,115.22 102.08,115.22 102.53,115.67 v1(102.53,116.53)
MOT_VDD: length 60.8
  Top w0.2: 107.3,122.42 108.38,121.35 108.38,119.47 MOTC9.1 106.71,117.81 MOTU2.5 ; 107.3,122.42 v1(104.4,122.42) 103.41,122.42 MOTC2.1 102.17,121.19 MOTU3.4 ; 107.3,122.42 107.35,122.48 MOTJ6.3 ; MOTU1.1 96.96,123.05 v1(98.22,123.05) ; v1(97.35,127.47) 97.35,129.39 94.96,131.78 80.19,131.78 76.8,128.38 MOTJ2.3
  Bottom w0.2: v1(104.4,122.42) 103.78,123.05 v1(98.22,123.05) 97.35,123.92 v1(97.35,127.47)
SCR_5V: length 265.9